# KiCad board central-control-unit.kicad_pcb (continued)
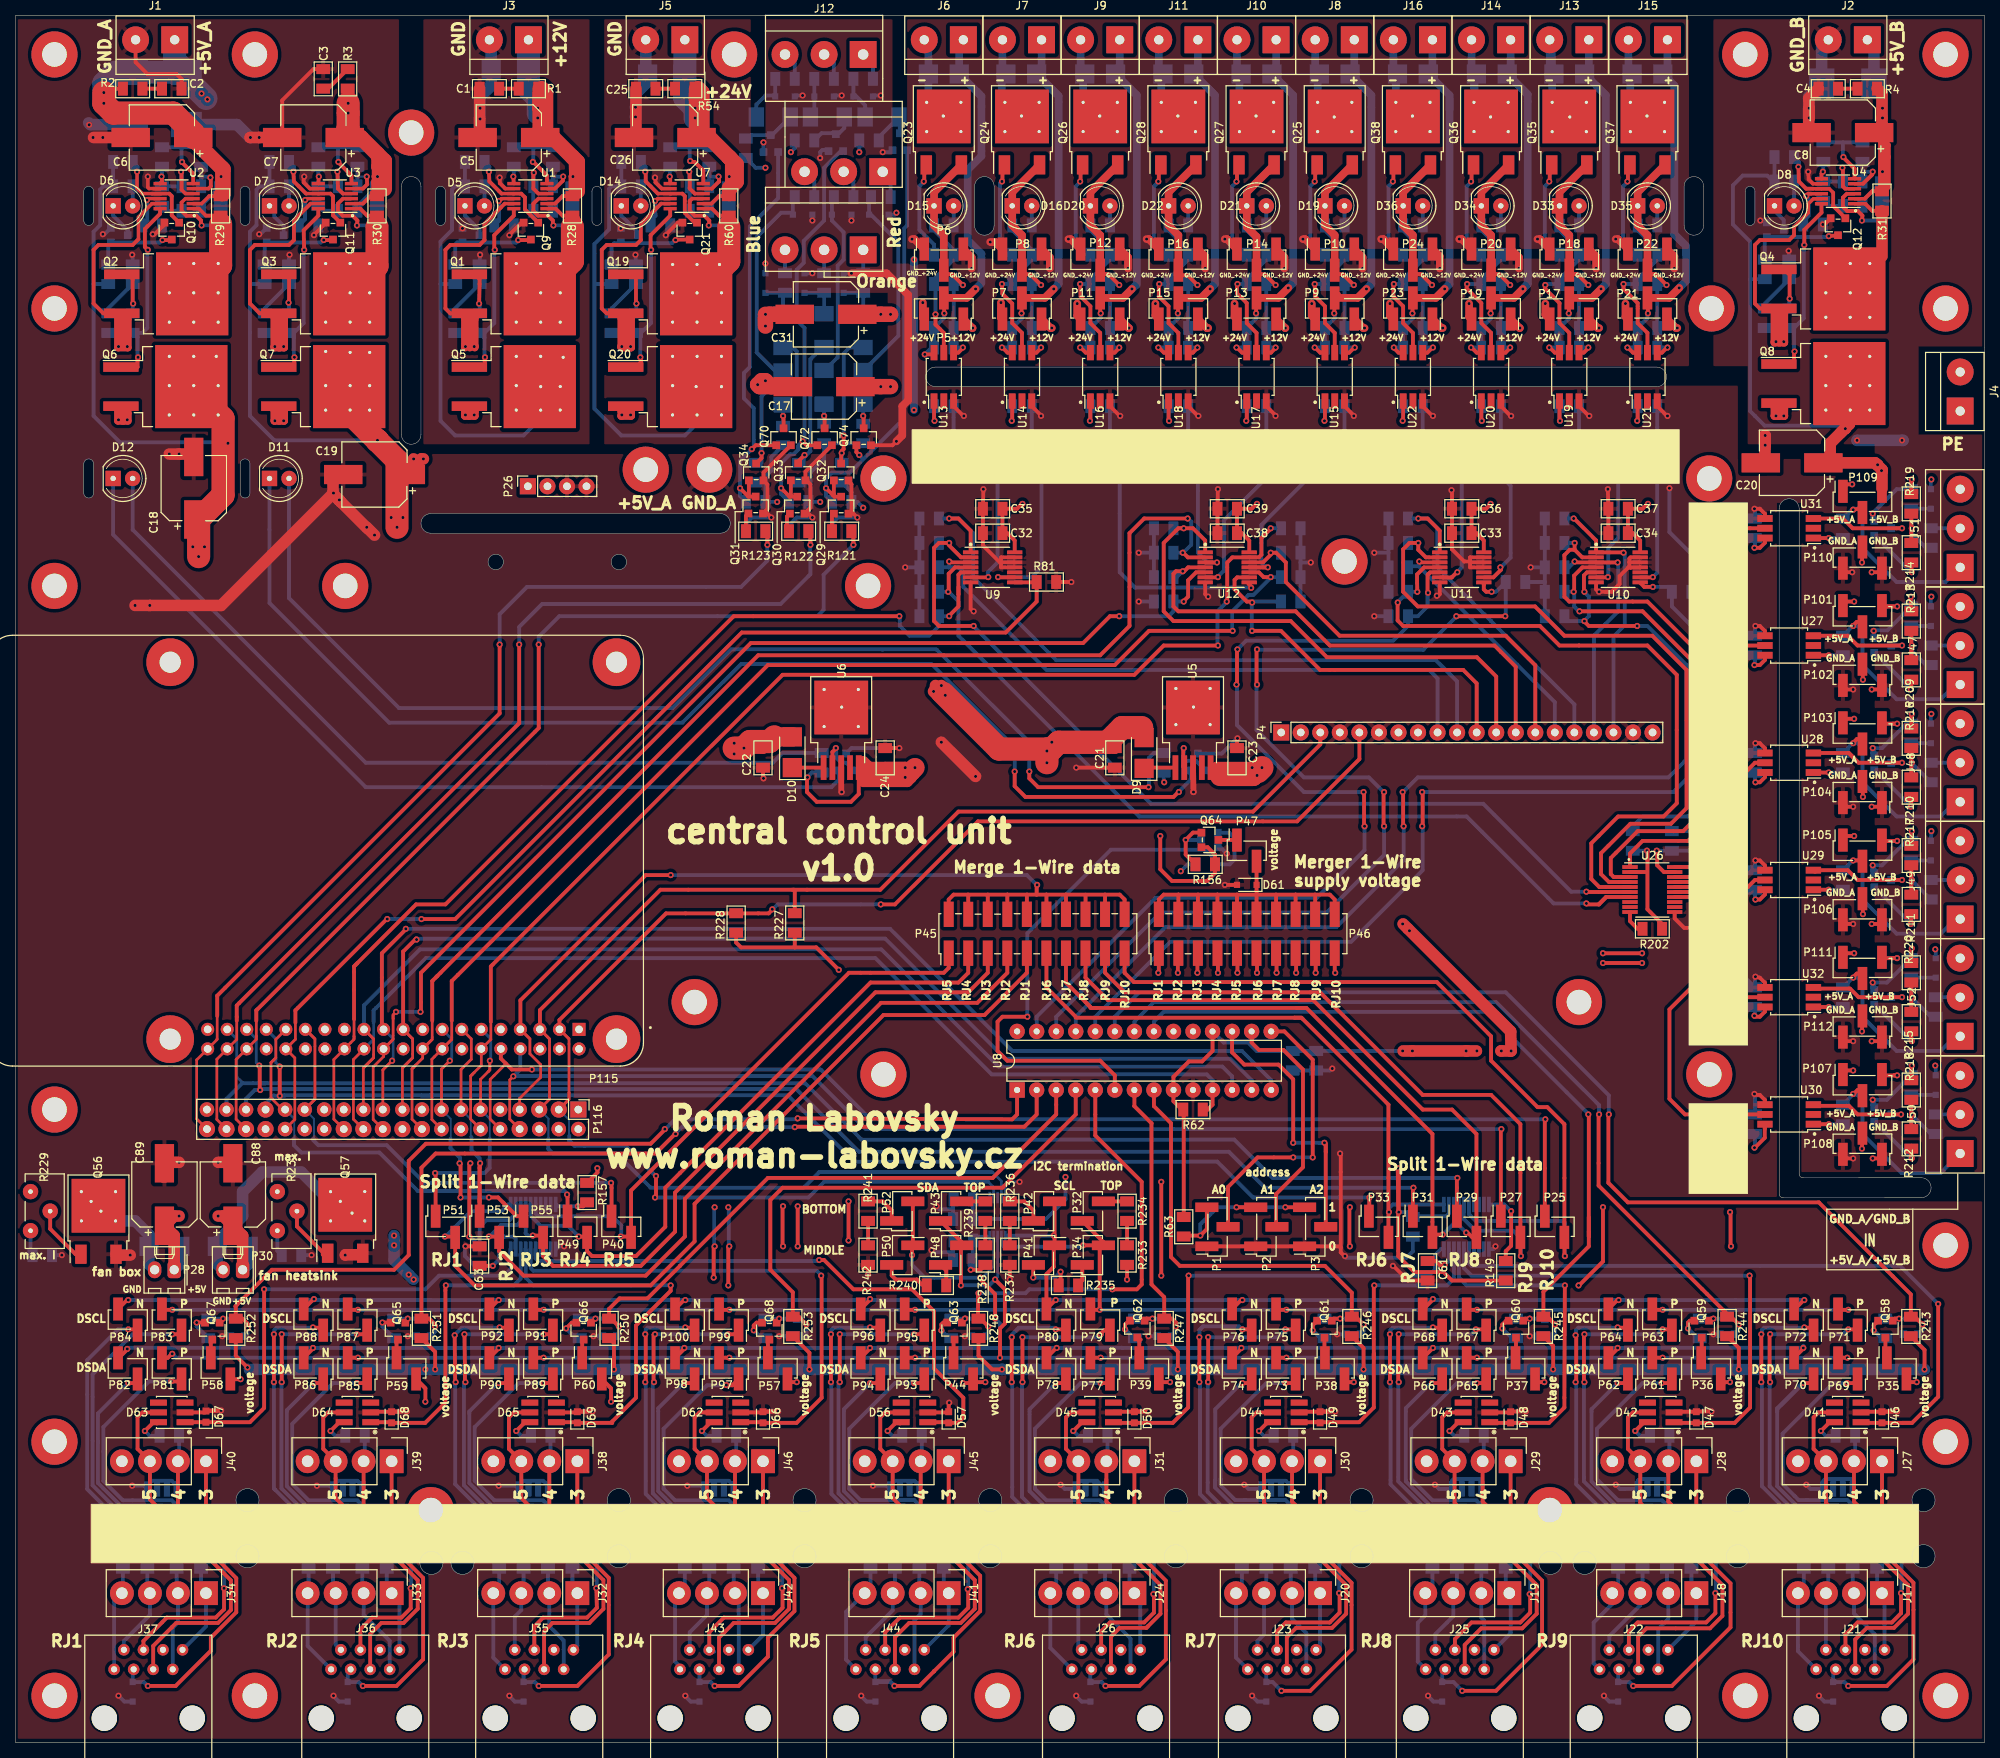
[diagram p0: board, top side]
## Nets (continued)
Net-(U4-UVL): R20.2 R21.1 U4.4
Net-(U4-~{SHDN}): R27.2 U4.3
Net-(U7-GNDSW): R58.2 U7.7
Net-(U7-OV): R57.2 R58.1 U7.6
Net-(U7-TIMER): C27.1 U7.10
Net-(U7-UVH): R56.2 R57.1 U7.5
Net-(U7-UVL): R55.2 R56.1 U7.4
Net-(U7-~{SHDN}): R59.2 U7.3
Net-(U13-A): R94.2 U13.1
Net-(U13-VO): R96.1 R98.1 R99.2 U13.5
Net-(U14-A): R95.2 U14.1
Net-(U14-VO): R97.1 R100.1 R101.2 U14.5
Net-(U15-A): R102.2 U15.1
Net-(U15-VO): R106.1 R108.1 R112.2 U15.5
Net-(U16-A): R103.2 U16.1
Net-(U16-VO): R107.1 R111.1 R114.2 U16.5
Net-(U17-A): R104.2 U17.1
Net-(U17-VO): R109.1 R113.1 R116.2 U17.5
Net-(U18-A): R105.2 U18.1
Net-(U18-VO): R110.1 R115.1 R117.2 U18.5
Net-(U19-A): R133.2 U19.1
Net-(U19-VO): R137.1 R141.1 R145.2 U19.5
Net-(U20-A): R134.2 U20.1
Net-(U20-VO): R138.1 R142.1 R146.2 U20.5
Net-(U21-A): R135.2 U21.1
Net-(U21-VO): R139.1 R143.1 R147.2 U21.5
Net-(U22-A): R136.2 U22.1
Net-(U22-VO): R140.1 R144.1 R148.2 U22.5
Net-(U23-OE): R149.2 U23.10
Net-(U24-OE): R157.2 U24.10
Net-(U26-OE): R202.2 U26.10
Net-(U27-A): R203.2 U27.1
Net-(U28-A): R204.2 U28.1
Net-(U29-A): R205.2 U29.1
Net-(U30-A): R206.2 U30.1
Net-(U31-A): R207.2 U31.1
Net-(U32-A): R208.2 U32.1

Pads without a net: D41 3 4; D42 3 4; D43 3 4; D44 3 4; D45 3 4; D56 3 4; D62 3 4; D63 3 4; D64 3 4; D65 3 4; H3 1; H4 1; H5 1; H6 1; H7 1; H8 1; H9 1; H10 1; H11 1; H12 1; H13 1; H14 1; H15 1; H16 1; H17 1; H18 1; H19 1; H20 1; H21 1; H22 1; H23 1; H24 1; H25 1; H26 1; H27 1; H28 1; H29 1; H30 1; H31 1; H32 1; J21 6; J22 6; J23 6; J25 6; J26 6; J27 4; J28 4; J29 4; J30 4; J31 4; J35 6; J36 6; J37 6; J38 4; J39 4; J40 4; J43 6; J44 6; J45 4; J46 4; P4 7; P115 1 2 4 6 9 14 17 20 25 27 28 30 34 39 S1 S2 S3 S4; P116 1 2 4 6 9 14 17 20 25 27 28 30 34 39; U5 4; U6 4; U8 19 20 28; U9 10; U10 10; U11 10; U13 2; U14 2; U15 2; U16 2; U17 2; U18 2; U19 2; U20 2; U21 2; U22 2; U23 7 8 9 12 13 14; U24 7 8 9 12 13 14; U25 3; U26 8 9 12 13; U27 2; U28 2; U29 2; U30 2; U31 2; U32 2

## Via types
v1: diameter 0.8, hole 0.4, Top to Bottom, 951 vias

## Routing (per net, layer and track width the routed paths; a pad name or vN(x,y) marks a point on that pad's centre or on a via; arc(x,y) is an arc through that point)
+5V_A: length 166.4
  Top w0.25: 46.13,201.04 46.99,201.04 ; 46.77,201.68 46.99,201.68
  Top w0.45: 44.06,200.07 45.16,200.07 ; U2.2 24.2,200.07 25.18,201.04
  Top w0.5: 25.18,201.04 26.03,201.04 ; R3.1 43.18,213.11 ; 46.99,202.95 46.99,203.58 ; 46.99,202.95 R26.1 ; 46.99,202.95 46.99,201.04 ; 45.16,200.07 46.13,201.04 ; R2.1 12.06,215.01 11.43,214.38 ; 26.67,201.04 26.67,203.58
  Top w1.5: C7.1 43.18,209.04 43.18,213.11 ; 26.75,201.12 26.75,204.77 ; 12.7,211.84 11.43,213.11 ; 46.99,206.57 46.99,204.85 47.07,204.77 47.07,203.6 v1(47.05,203.58) 47.07,203.56 47.07,202.93 46.99,202.85 46.99,201.74
  Top w2: 20.51,211.84 12.7,211.84 12.7,211.9 v1(11.49,213.11) ; J1.1 20.95,221.36 ; C7.1 44.89,208.66 47.94,205.61 47.94,201.99 ; 26.99,201.36 26.99,204.53 23.11,208.41 C6.1
  Top w3: 12.76,211.84 20.51,211.84 23.11,209.23 C6.1 ; 12.76,211.84 v1(11.49,213.11) v1(11.49,214.5) ; 12.76,211.84 12.7,211.9 ; 43.18,209.74 43.24,209.8 v1(43.24,211.84) v1(43.24,213.11)
  PWR.Cu w1.5: 43.18,211.84 43.18,213.74 42.55,214.38 41.72,214.38 ; 39.37,214.38 38.1,213.11 25.4,213.11 24.13,214.38
  PWR.Cu w3: v1(43.24,211.84) v1(43.24,213.11) 41.97,214.38 39.37,214.38 38.16,213.17 25.4,213.17 v1(24.19,214.38)
  Bottom w0.5: 44.45,199.14 44.45,199.77 R26.1 46.99,203.58 ; 24.13,199.14 24.13,199.77 R25.1 26.67,203.58
  Bottom w1.5: 11.43,213.11 11.43,215.65 12.92,217.14 D2.1
  Bottom w2: D2.1 19.18,217.14 20.7,218.66
  Bottom w3: 24.77,213.74 22.23,216.28 D3.1 ; J1.1 20.7,218.66 D3.1 ; D2.1 D3.1 ; v1(11.49,213.11) 11.49,215.71 12.92,217.14
  vias: v1(24.96,213.61) v1(26.73,203.58)
+12V: length 372.8
  Top w0.5: P23.1 184.15,183.9 185.42,183.9 ; 154.94,183.9 153.78,185.06 P15.1 153.67,184.53 ; 175.26,183.9 173.99,183.9 P9.1 ; P7.1 133.35,184.53 133.99,183.9 134.62,183.9 ; P19.1 194.31,183.9 v1(195.52,183.9) 195.58,183.9 ; 214.63,183.9 P21.1 214.63,184.53 215.27,183.9 215.9,183.9 ; 165.1,183.9 v1(165.04,183.9) 164.47,183.9 163.83,184.53 P13.1 ; P11.1 143.51,184.53 144.15,183.9 v1(144.72,183.9) 144.78,183.9 ; 205.74,183.9 204.47,183.9 P17.1 204.47,184.53 ; P5.1 123.19,184.53 123.83,183.9 v1(124.4,183.9) 124.46,183.9
  Top w1: P23.1 185.32,183.9 v1(185.48,183.9) ; v1(165.04,183.9) 165,183.9 P13.1 ; P9.1 175.16,183.9 v1(175.32,183.9) ; P7.1 134.52,183.9 v1(134.68,183.9) ; v1(215.96,183.9) 215.8,183.9 P21.1 ; v1(124.4,183.9) 124.36,183.9 P5.1 ; P11.1 144.68,183.9 v1(144.72,183.9) ; v1(195.52,183.9) 195.48,183.9 P19.1 ; P17.1 205.64,183.9 v1(205.8,183.9) ; P15.1 154.84,183.9 v1(155,183.9)
  Top w1.5: 68.2,176.22 Q5.3
  Top w2: v1(113.73,176.28) v1(112.46,176.28) C17.1
  PWR.Cu w1.5: 213.36,183.9 214.63,183.9 ; 213.36,183.9 119.38,183.9 ; 213.36,183.9 215.9,183.9 ; 68.2,176.22 70.62,176.22
  PWR.Cu w2: 68.26,176.28 70.8,176.28 ; 111.95,176.28 v1(113.73,176.28) 115.38,177.93 115.38,180.47 118.81,183.9 v1(215.96,183.9) ; 76.54,170.31 70.57,176.28
  PWR.Cu w2.5: 95.25,171.64 99.89,176.28 111.95,176.28 ; 95.25,171.64 94.04,170.43 ; 95.25,171.64 93.92,170.31 76.54,170.31 70.62,176.22 ; 68.26,176.28 70.57,176.28
  Bottom w0.5: 55.25,189.61 55.25,195.14 56.74,196.63 56.74,201.9 57.15,202.31 R48.1 R40.1 ; 55.25,189.61 R44.1 ; 55.25,189.61 55.25,171.83 57.15,169.93 66.04,169.93 68.2,172.08 68.2,176.22
+24V: length 309.6
  Top w0.5: 118.03,187.15 118.11,187.07 P5.3 ; P7.3 128.27,187.07 128.19,187.15
  Top w1: v1(168.47,187.07) 168.47,185.51 P9.3 ; v1(158.43,187.07) 158.43,185.38 158.75,185.06 ; P21.3 209.23,185.38 v1(209.23,187.07) ; v1(117.92,187.2) 117.92,185.25 P5.3 ; P19.3 188.91,185.38 v1(188.91,187.07) ; v1(178.63,187.07) 178.63,185.51 P23.3 ; P11.3 137.99,185.51 v1(137.99,187.07) ; P17.3 198.82,185.63 v1(198.82,187.07) ; 148.59,185.06 148.15,185.51 v1(148.15,187.07) ; v1(128.08,187.2) 128.08,185.25 P7.3
  Top w1.5: Q20.3 89.53,176.28 ; Q20.3 88.52,176.22 ; Q20.3 91.89,179.7
  Top w2: C31.1 v1(113.73,185.67) v1(112.46,185.67) 111.7,185.67 ; 91.38,176.28 Q20.3
  PWR.Cu w1.5: 121.2,187.15 124.38,187.15 ; 124.38,187.15 168.83,187.15 ; 124.38,187.15 118.19,187.15 ; 168.83,187.15 198.84,187.15 ; 168.83,187.15 170.1,187.15 ; Q20.3 88.9,176.28
  PWR.Cu w2: v1(112.46,185.67) 116.36,185.67 118.01,187.33 198.56,187.33 ; 199.08,187.33 209.1,187.33 ; v1(113.73,185.67) 111.7,185.67 106.36,180.34 95.44,180.34 91.38,176.28 Q20.3
  Bottom w0.5: Q20.3 88.47,171.4 87,169.93 78.74,169.93 75.25,173.42 75.25,189.74 ; 75.25,189.74 75.37,189.61 R66.1 ; 75.25,189.74 75.25,194.82 77.15,196.72 77.15,201.99 77.47,202.31 R67.1 R65.1
GND_+12V: length 317.1
  Top w0.45: U1.8 63.67,202.02
  Top w0.5: P10.3 173.99,193.42 ; P22.3 214.63,193.42 ; 143.51,193.42 P12.3 144.57,193.11 144.57,192.28 ; P16.3 153.67,193.42 ; P18.3 204.47,193.42 ; P24.3 184.15,193.42 ; 194.31,193.42 P20.3 195.37,193.11 195.37,192.28 ; 63.67,202.02 62.95,202.73 62.95,203.43 v1(62.93,203.45) 62.95,203.48 62.95,203.51 ; Q9.2 65.77,197.6 64.2,196.02 v1(64.2,195.96) 64.14,195.96 ; 164.89,192.28 164.89,193.11 ; 185.21,192.28 185.21,193.11 ; 134.41,192.28 134.41,193.11 ; 124.24,192.28 124.24,193.11 ; 175.05,192.28 175.05,193.11
  Top w1: v1(175.07,191.64) 175.07,193.08 P10.3 ; P24.3 185.1,193.21 185.1,192.28 ; v1(195.39,191.64) 195.39,193.08 P20.3 ; P16.3 154.62,193.21 v1(154.62,191.64) ; P8.3 134.43,193.08 v1(134.43,191.64) ; v1(205.42,191.64) 205.42,193.21 P18.3 ; P12.3 144.59,193.08 v1(144.59,191.64) ; v1(164.91,191.64) 164.91,193.08 P14.3 ; v1(124.27,191.64) 124.27,193.08 P6.3 ; v1(185.1,191.64) 185.1,192.18 ; P22.3 215.58,193.21 v1(215.58,191.64)
  Top w1.5: 60.33,211.2 60.33,211.14 ; 60.33,208.91 C5.2 ; 60.33,208.91 C1.2 ; 60.33,208.91 60.33,211.01
  Top w2: v1(97.47,177.04) 96.96,177.04 v1(96.46,176.53) 96.71,176.28 C17.2 98.23,176.28 v1(97.47,177.04)
  GND.Cu w1.5: 58.1,196.72 63.82,196.72 64.45,197.36 ; 65.09,197.99 64.45,197.36 ; 64.45,197.36 63.06,195.96 ; 63.06,195.96 60.33,195.96 61.79,195.96 ; 63.06,195.96 64.14,195.96 ; 93.34,169.93 95.25,171.83
  GND.Cu w2: 122.24,191.64 v1(124.27,191.64) v1(215.58,191.64) ; 122.24,191.64 120.33,191.64 ; 122.24,191.64 118.94,191.64 116.01,188.72 116.01,184.15 112.46,180.59 106.87,180.59 103.31,177.04 v1(97.47,177.04) 96.71,176.28 96.46,176.28 ; 96.46,174.5 96.46,175.01 ; 96.46,174.5 96.46,176.28 ; 96.46,174.5 96.46,173.04 ; 60.33,212.47 60.33,209.11 63.18,206.25 63.18,202.72 65.09,200.81 65.09,197.33 63.93,196.17 ; 97.22,177.29 v1(96.46,176.53) 96.46,176.28 ; 60.33,195.96 60.33,190.88 62.23,188.98 62.23,183.9 64.14,181.99 73.66,181.99 75.25,180.4 75.25,173.42 78.74,169.93 93.34,169.93 96.46,173.04 ; 96.46,173.04 95.25,171.83
  Bottom w0.5: C13.2 v1(60.39,193.42) 60.33,193.42 ; C9.2 64.77,196.6 64.14,195.96
  Bottom w1: 61.59,220.73 61.59,217.16 61.83,216.92 61.83,215.41
  Bottom w1.5: 60.33,211.2 60.33,213.9 61.83,215.41 61.83,220.49 61.59,220.73
  vias: v1(58.1,196.85) v1(60.39,212.47) v1(60.39,211.07)
GND_+24V: length 271.2
  Top w0.45: U7.8 83.99,202.02
  Top w0.5: 84.45,195.96 86.09,197.6 Q21.2 ; 83.99,202.02 83.19,202.82 83.19,203.39 v1(83.12,203.45) 83.19,203.52 83.19,203.58 ; 118.11,194.48 P6.1 ; 126.79,194.82 127.61,194.82 ; 128.27,194.48 P8.1
  Top w1: 137.77,194.82 P12.1 137.14,195.45 v1(136.84,195.45) ; P22.1 208.26,195.45 v1(207.96,195.45) ; v1(197.8,195.45) 198.1,195.45 P18.1 198.73,194.82 ; v1(187.64,195.45) 187.94,195.45 P20.1 188.57,194.82 ; v1(126.68,195.07) 127.36,195.07 P8.1 127.61,194.82 ; 147.93,194.82 148.59,194.16 147.3,195.45 v1(147,195.45) ; v1(177.48,195.45) 177.78,195.45 P24.1 178.41,194.82 ; v1(167.32,195.45) 167.62,195.45 P10.1 168.25,194.82 ; 158.09,194.82 158.75,194.16 157.46,195.45 v1(157.16,195.45) ; 117.45,194.82 P6.1 116.82,195.45 v1(116.52,195.45)
  Top w1.5: 81.47,208.66 C26.2 ; C25.2 80.64,208.91
  Top w2: v1(97.47,184.15) 97.47,185.17 97.98,185.67 C31.2 v1(97.47,185.67)
  GND.Cu w1: 115.7,194.76 115.83,194.76 v1(116.52,195.45)
  GND.Cu w1.5: 82.87,197.36 82.36,196.85 v1(78.68,196.85) ; 82.87,197.36 81.72,196.22 80.84,196.22 80.64,196.02 ; 82.87,197.36 84.77,199.26 ; 82.74,195.96 84.45,195.96 ; 82.74,195.96 81.72,195.96 ; 82.74,195.96 80.71,195.96 80.64,196.02 ; 80.64,196.02 80.64,191.52 ; 80.64,209.11 80.64,212.47 ; 93.98,182.63 84.45,182.63
  GND.Cu w2: 80.71,195.96 80.64,195.9 80.64,191.52 82.63,189.53 82.63,184.45 84.45,182.63 96.2,182.63 97.47,183.9 v1(97.47,185.67) 108.39,185.67 113.73,191.01 113.73,192.79 115.7,194.76 128.65,194.76 129.38,195.49 133.89,195.48 ; 133.89,195.48 129.38,195.48 128.71,194.82 ; 133.89,195.48 165.42,195.45 ; 164.68,195.45 207.92,195.45 ; v1(80.58,212.6) 80.64,212.53 80.64,209.11 83.38,206.37 83.38,202.82 84.77,201.43 84.77,199.26 81.72,196.22
  Bottom w0.5: 78.62,196.91 v1(78.68,196.85) ; D13.2 82.16,216.52 ; C28.2 v1(80.58,193.42) 80.64,193.42 ; C27.2 85.09,196.6 84.52,196.02 v1(84.52,195.96) 84.45,195.96
  Bottom w1.5: 81.91,220.73 81.91,217.16 D13.2 82.16,215.89 80.64,214.38 80.64,212.66 v1(80.58,212.6) 80.64,212.53 80.64,211.39 v1(80.58,211.33) 80.64,211.26 80.64,211.2
GND_A: length 3755
  Top w0.25: 37.46,203.49 37.53,203.55 v1(37.53,203.58) 37.55,203.58
  Top w0.45: U3.8 38.27,202.02 ; v1(17.21,203.58) 17.21,202.18 17.38,202.02 U2.8 17.87,202.02
  Top w0.5: C63.2 v1(58.48,64.52) 58.42,64.52 ; 182.46,60.07 C61.2 180.98,60.07 179.07,61.98 ; P1.1 P2.1 P3.1 172.09,64.52 172.24,64.37 ; U21.3 213.36,173.74 214.63,172.47 ; U19.3 203.2,173.74 204.47,172.47 ; U18.3 152.4,173.74 153.67,172.47 ; U13.3 121.92,173.74 123.19,172.47 ; U15.3 172.72,173.74 173.93,172.53 v1(173.93,172.47) 173.99,172.47 ; U16.3 142.24,173.74 143.51,172.47 ; 123.19,172.47 v1(123.25,172.47) 123.25,172.4 123.19,172.47 ; 214.63,172.47 v1(214.69,172.47) 214.69,172.4 214.63,172.47 ; 194.31,172.47 193.04,173.74 U20.3 ; 194.31,172.47 194.37,172.4 v1(194.37,172.47) 194.31,172.47 ; 153.67,172.47 153.73,172.4 v1(153.73,172.47) 153.67,172.47 ; 143.51,172.47 v1(143.57,172.47) 143.57,172.4 143.51,172.47 ; U14.3 132.08,173.74 133.29,172.53 v1(133.29,172.47) 133.35,172.47 ; U22.3 182.88,173.74 184.15,172.47 ; U17.3 162.56,173.74 163.77,172.53 v1(163.77,172.47) 163.83,172.47 ; 204.47,172.47 204.53,172.4 v1(204.53,172.47) 204.47,172.47 ; 184.15,172.47 184.21,172.4 v1(184.21,172.47) 184.15,172.47 ; Q11.2 40.32,197.55 38.8,196.02 v1(38.8,195.96) 38.73,195.96 ; 37.46,203.49 37.46,202.82 38.27,202.02 ; C3.2 38.73,217.55 34.67,213.49 34.67,210.82 ; 34.67,210.82 34.67,212.22 ; 34.67,210.82 C7.2 ; 184.79,148.97 185.1,149.28 U11.7 ; D66.2 98.52,43.02 ; D66.2 97.19,43.05 v1(99.12,43.05) ; D66.2 97.06,42.93 D62.2 ; D43.2 194.22,42.93 D48.2 194.35,43.05 v1(196.28,43.05) ; v1(109.41,159.26) 108.9,159.77 Q29.2 108.65,160.15 108.65,163.58 108.26,163.96 Q32.2 ; 238.76,75.95 v1(238.82,75.95) 238.02,75.95 P108.3 ; C34.1 C37.2 v1(206.95,162.94) 207.01,162.94 ; 172.24,64.37 172.24,63.73 172.72,63.25 ; 172.24,64.37 172.24,76.43 172.15,76.52 v1(172.15,76.58) 172.09,76.58 ; D69.2 73.06,43.05 v1(74.99,43.05) ; D69.2 72.94,42.93 D65.2 ; D69.2 74.39,43.02 ; D68.2 46.27,43.02 D64.2 ; D68.2 50.25,43.02 ; D68.2 48.93,43.05 v1(50.86,43.05) ; 226.06,145.16 v1(226.12,145.16) 226.7,145.16 227.36,144.5 227.36,143.89 ; U9.11 128.08,152.78 128.08,154.05 128.11,154.08 U9.13 ; 21.59,214.38 C2.2 21.59,216.28 20.95,216.92 17.15,216.92 15.62,218.44 J1.2 ; U32.4 227.36,98.78 226.7,99.44 v1(226.12,99.57) 226.06,99.44 ; 156.21,162.94 v1(156.27,162.94) C39.2 C38.1 ; 226.06,114.68 v1(226.12,114.68) 226.7,114.68 227.36,114.02 U29.4 ; D63.2 24.59,42.93 D67.2 ; v1(98.23,159.26) 97.71,159.78 Q31.2 97.73,160.36 97.73,163.58 Q34.2 97.22,165.1 Q70.2 ; 154.94,148.97 155,148.91 v1(155,148.97) 154.94,148.97 ; 154.94,148.97 154.62,149.29 U12.7 ; R81.2 137.16,150.88 ; U11.12 189.15,153.43 189.04,153.54 ; U31.4 227.36,159.74 226.7,160.4 v1(226,160.4) 226.06,160.4 ; v1(218.12,105.92) 216.85,105.92 215.63,107.14 215.63,107.93 ; D41.2 239.94,43.02 D46.2 ; v1(244.54,43.05) 242.61,43.05 D46.2 ; D50.2 142.79,43.02 D45.2 ; D50.2 145.45,43.05 v1(147.26,43.05) ; D50.2 146.78,43.02 ; U9.12 127.94,153.43 125.73,155.64 C32.1 C35.2 v1(125.79,162.94) 125.73,162.94 ; 189.04,153.54 189.04,154.05 189.07,154.08 U11.13 ; 189.04,153.54 188.28,153.54 186.69,155.13 C33.1 C36.2 186.69,162.73 ; 189.04,153.54 189.04,152.78 U11.11 ; 205.74,149.61 205.42,149.93 U10.7 ; 238.76,136.91 v1(238.82,136.91) 238.02,136.91 P102.3 ; C24.2 114.94,129.29 ; C22.2 97.16,125.48 ; D49.2 169.58,43.05 v1(171.51,43.05) ; D49.2 166.92,43.02 D44.2 ; D49.2 170.91,43.02 ; 238.76,152.15 v1(238.7,152.15) 238.02,152.15 P110.3 ; 110.81,62.1 v1(110.81,60.83) ; D67.2 24.84,43.18 v1(26.73,43.18) ; D67.2 26.21,43.11 ; U10.13 209.9,154.08 209.74,153.92 209.74,153.42 ; 124.46,147.07 124.52,147 v1(124.52,147.07) 124.46,147.07 ; 124.46,147.07 124.14,147.39 U9.7 ; U10.12 209.76,153.43 209.74,153.42 ; 121.29,44.2 D57.2 121.2,42.93 D56.2 ; 238.76,91.19 v1(238.82,91.19) 237.49,91.19 P112.3 ; 137.8,126.75 v1(137.86,126.75) C21.2 ; v1(114.49,169.16) 113.98,168.66 Q74.2 ; D46.2 243.93,43.02 ; 107.32,123.57 107.31,123.57 ; 153.04,123.57 153.04,123.57 ; 17.99,195.96 19.37,197.34 Q10.2 ; 206.69,149.61 207.45,149.61 208.47,150.62 208.47,151.64 209.59,152.76 209.89,152.76 ; 206.69,149.61 206.95,149.61 ; 206.69,149.61 v1(205.8,149.61) ; 129.22,62.1 v1(129.22,60.2) ; P106.3 238.02,106.43 v1(238.82,106.43) 238.76,106.43 ; 209.89,152.76 211.11,152.76 211.14,152.78 U10.11 ; 209.89,152.76 209.74,152.91 209.74,153.42 ; 158.75,130.56 C23.2 ; U28.4 227.36,129.26 226.7,129.92 v1(226.12,129.92) 226.06,129.92 ; v1(157.16,111.51) D61.2 ; v1(103.57,159.26) 103.06,159.77 Q30.2 103.31,160.53 103.31,163.58 102.79,164.1 Q33.2 102.67,165.22 Q72.2 ; D42.2 215.63,43.02 D47.2 218.48,43.05 v1(220.41,43.05) ; 238.76,121.67 v1(238.82,121.67) 238.02,121.67 P104.3 ; U30.4 227.36,83.54 226.7,84.2 226.06,84.2
  Top w0.75: U5.3 v1(153.1,123.57) 153.04,123.57 ; U6.3 107.32,123.57
  Top w1: v1(108.65,191.01) 113.22,191.01 116.01,188.21 116.01,174.5 115.25,173.74 115.25,169.93 v1(114.49,169.16)
  Top w1.5: 41.66,164.85 41.27,164.47 41.27,162.31 42.04,161.54 v1(42.1,161.54) 42.1,161.48 42.32,161.26 ; 30.48,208.66 v1(30.54,208.66) v1(31.69,208.66) C7.2 ; 42.32,161.26 41.66,161.93 ; 42.32,161.26 45.72,157.86 ; v1(42.86,63.37) 42.91,63.42 44.51,63.42 ; v1(21.27,75.44) 19.49,75.44 19.37,75.31 ; v1(41.34,162.43) 26.73,147.83 v1(17.46,147.83) v1(15.56,147.83) ; C6.2 10.16,208.66 ; 19.37,73.53 19.21,73.53 ; Q56.2 13.19,63.37 v1(14.92,63.37) ; v1(26.35,75.44) 28.13,75.44 28.26,75.31 ; v1(124.78,125.6) v1(120.33,130.05) ; 23.43,167.51 v1(21.27,167.51) v1(20,167.51) ; v1(45.66,157.99) v1(46.67,156.97)
  GND.Cu w0.5: 126.36,166.75 125.73,166.12 125.73,156.59 124.46,155.32 124.46,147.07 ; 175.9,166.75 176.53,166.12 176.53,146.43 ; 155.58,166.75 156.21,166.12 156.21,156.59 154.94,155.32 154.94,148.97 ; 170.82,87.38 171.1,87.66 ; 126.3,52.71 126.43,52.83 ; 126.43,52.83 126.36,52.77 126.36,49.28 127,48.64 127,35.94 124.46,33.4 v1(111.44,33.4) 106.68,33.4 ; 126.43,52.83 127.57,52.83 129.22,54.48 v1(129.22,60.2) 129.22,67.56 129.1,67.69 ; 126.43,52.83 v1(123.38,52.83) ; 237.41,105.71 238.12,106.43 238.76,106.43 ; 110.81,67.18 v1(110.81,60.83) 110.81,67.4 110.6,67.61 ; 200.03,59.44 200.03,57.85 201.36,56.51 201.36,52.83 ; 200.03,59.44 200.03,58.8 ; 200.03,59.44 200.03,67.06 200.58,67.61 ; 80.33,52.96 80.33,61.47 77.47,64.33 77.47,67.69 ; 80.33,52.96 80.33,43.05 ; 80.33,52.96 80.2,52.83 v1(75.12,52.83) ; 143.51,172.47 143.51,166.94 143.32,166.75 ; 214.63,169.1 214.63,168.66 ; 214.63,169.1 214.63,172.47 ; 214.63,169.1 214.63,167.39 214,166.75 212.09,166.75 214.95,163.89 v1(214.95,163.07) ; 106.68,65.79 106.68,67.5 106.57,67.61 ; 106.68,65.79 106.68,63.88 ; 106.68,65.79 106.68,59.5 ; 226.06,129.92 224.16,129.92 ; 153.48,166.75 153.67,166.94 153.67,172.47 ; v1(207.96,33.53) 207.71,33.27 207.71,24.89 ; 64.14,6.1 58.42,11.81 58.42,19.88 62.8,24.26 v1(62.8,33.4) ; 31.43,52.83 31.43,55.12 ; 31.43,52.83 v1(26.86,52.83) ; 31.43,52.83 31.43,43.18 ; 146.05,148.34 v1(145.99,148.34) v1(145.99,154.69) 146.05,166.75 ; 224.16,118.3 223.84,117.98 v1(220.03,117.98) ; 146.05,97.54 146.69,98.17 146.69,109.92 148.27,111.51 v1(157.16,111.51) 157.42,111.76 157.42,112.78 ; 207.65,33.4 221.62,33.4 225.49,37.27 225.49,43.43 ; v1(196.28,43.05) 201.1,43.05 ; 207.71,24.89 207.71,23.75 203.84,19.88 203.84,8.64 206.38,6.1 ; 207.71,24.89 207.71,24.38 ; 102.46,35.53 102.87,35.94 ; 102.46,35.53 104.46,37.53 104.46,43.05 ; 102.46,35.53 100.33,33.4 87,33.4 82.55,28.96 82.55,10.54 87,6.1 ; 204.66,166.75 204.47,166.94 204.47,172.47 ; 178.99,67.61 178.67,67.29 178.67,62.38 179.01,62.04 v1(179.01,61.98) 179.07,61.98 ; 183.52,6.1 179.71,9.91 179.71,28.96 184.15,33.4 197.49,33.4 200.03,35.94 200.03,36 201.36,37.34 201.36,52.83 ; 225.49,43.43 225.11,43.05 v1(220.41,43.05) ; 225.49,43.43 225.49,53.09 ; 226.06,114.68 224.79,114.68 224.16,115.32 ; 108.39,47.24 108.39,47.62 ; 108.39,47.62 108.39,57.78 106.68,59.5 ; 108.39,47.62 108.39,42.54 106.68,40.83 106.68,33.4 ; 176.72,53.09 v1(171.77,53.09) 174.43,53.09 ; 176.72,53.09 176.72,42.93 ; 176.72,53.09 176.72,56.51 175.26,57.98 175.26,67.53 175.34,67.61 ; 176.72,53.09 174.43,53.09 ; 104.46,52.96 104.46,58.29 102.87,59.88 102.87,66.87 ; 104.46,52.96 104.46,43.05 ; 104.46,52.96 104.33,52.83 v1(99.25,52.83) ; 238.76,136.91 237.49,136.91 237.41,136.83 ; 151.21,67.61 151.13,67.53 151.13,61.34 ; 55.56,43.05 55.56,36.83 54.32,35.59 54.26,35.59 ; 55.56,43.05 v1(50.86,43.05) ; 55.56,43.05 55.56,52.83 ; 106.68,59.44 106.68,59.5 ; 160.66,6.1 154.94,11.81 154.94,28.77 v1(159.7,33.53) 172.85,33.53 175.26,35.94 175.32,35.94 176.72,37.34 176.72,42.93 ; 224.16,59.44 224.16,57.72 225.49,56.39 225.49,53.09 ; 224.16,59.44 224.16,58.8 ; 224.16,59.44 224.16,67.06 223.6,67.61 ; 152.4,121.67 153.04,122.3 153.04,123.57 ; 172.09,76.58 172.09,82.3 171.45,82.93 171.26,82.93 ; 249.87,46.86 246.06,43.05 ; 249.87,46.86 248.03,45.02 ; 249.87,46.86 249.87,54.86 248.28,56.45 248.28,58.61 243.95,62.95 243.95,68.12 ; 246.06,43.05 246.19,42.93 246.19,34.93 ; 246.06,43.05 v1(244.54,43.05) ; 152.34,52.83 152.34,58.17 151.13,59.37 151.13,61.34 ; 152.34,52.83 150.56,52.83 ; 152.34,52.83 152.34,43.69 ; 207.01,166.75 207.01,156.59 205.74,155.32 205.74,149.61 ; 54.61,35.94 54.26,35.59 ; 54.26,35.59 52.07,33.4 v1(39.18,33.4) 38.73,33.4 34.29,28.96 34.29,16.26 ; 133.35,172.47 133.35,167.39 133.99,166.75 ; 237.41,91.9 238.12,91.19 238.76,91.19 ; 137.8,126.75 137.8,122.3 138.43,121.67 ; 238.76,121.67 237.49,121.67 237.41,121.75 ; 106.68,11.18 106.68,9.27 109.92,6.03 v1(109.92,6.1) 109.86,6.1 ; 106.68,11.18 106.68,9.91 ; 106.68,11.18 106.68,33.4 ; 150.91,35.72 152.34,37.15 152.34,43.31 ; 150.91,35.72 148.72,33.53 v1(135.83,33.53) ; 150.91,35.72 151.13,35.94 ; 80.33,43.05 80.33,37.53 78.33,35.53 ; 80.33,43.05 v1(74.99,43.05) ; 78.33,35.53 78.74,35.94 ; 78.33,35.53 76.2,33.4 62.86,33.4 ; 224.16,106.24 223.84,105.92 v1(218.12,105.92) ; 168.28,166.75 168.34,166.69 v1(168.34,153.42) 168.28,153.42 ; 225.49,53.09 v1(220.66,53.09) ; 152.34,43.31 152.34,43.69 ; 152.34,43.31 152.08,43.05 v1(147.26,43.05) ; 246.57,43.56 248.03,45.02 ; 248.03,45.02 248.28,45.28 ; 186.69,166.75 186.69,162.88 v1(186.63,162.81) 186.69,162.75 186.69,156.59 184.79,154.69 184.79,149.16 v1(184.72,149.1) 184.79,149.03 184.79,148.97 ; 71.56,67.06 71.66,67.15 ; 71.66,67.15 71.12,67.69 ; 71.66,67.15 71.75,67.06 ; v1(119.06,64.01) 119.06,67.18 119.49,67.61 ; 223.71,107.7 224.16,108.14 ; v1(50.99,52.83) 55.56,52.83 ; 55.56,52.83 55.56,57.02 54.61,57.98 54.61,58.8 ; 176.72,42.93 176.59,43.05 v1(171.51,43.05) ; 121.29,44.2 v1(121.35,44.2) 127,44.2 ; 34.29,16.26 34.29,13.08 41.27,6.1 ; 34.29,16.26 34.29,15.62 ; 224.16,98.81 224.79,99.44 226.06,99.44 ; 183.96,166.75 184.15,166.94 184.15,172.47 ; 102.87,66.87 102.87,60.71 ; 102.87,66.87 102.87,67.69 ; 54.61,58.8 54.61,59.44 ; 54.61,58.8 54.61,67.5 ; 245.3,34.04 246.19,34.93 ; 246.19,34.93 244.79,33.53 v1(232.73,33.53) ; 135.89,33.4 130.81,28.32 130.81,13.08 137.8,6.1 ; 232.41,33.4 227.97,28.96 227.97,12.45 234.19,6.22 234.38,6.22 234.38,6.03 234.32,6.1 ; 115.57,152.78 115.57,160.85 121.29,166.56 121.29,166.75 ; 58.42,64.52 57.7,65.23 57.7,68.41 ; v1(71.31,64.52) 71.31,67.06 ; 123,166.75 123.19,166.94 123.19,172.47 ; 171.26,82.93 171.13,83.06 v1(171.13,87.63) ; 171.26,82.93 153.67,82.93 153.04,83.57 U8.10 ; 122.55,97.54 121.92,96.9 121.92,77.22 ; v1(26.73,43.18) 31.43,43.18 ; 31.43,43.18 31.43,36.89 27.94,33.4 v1(15.18,33.4) 15.18,33.34 10.79,28.96 10.79,10.54 ; 163.64,166.75 163.83,166.94 163.83,172.47 ; v1(130.49,72.9) 130.49,73.53 126.81,77.22 121.92,77.22 ; 174.43,53.09 175.26,53.09 ; 13.33,6.1 10.79,8.64 10.79,16.89 ; 152.34,43.69 152.21,43.56 ; 114.94,129.29 113.66,129.29 113.03,128.65 113.03,123.57 ; 181.61,67.69 181.69,67.61 ; 174.18,166.75 173.99,166.94 173.99,172.47 ; v1(147.26,52.83) 150.56,52.83 ; 150.56,52.83 150.94,52.83 ; 109.92,168.91 114.24,168.91 ; v1(6.03,63.37) v1(14.92,63.37) ; 151.13,61.34 151.13,60.07 ; 238.76,152.15 237.49,152.15 237.41,152.07 ; 158.75,130.56 158.75,121.67 ; 226.06,160.4 224.79,160.4 224.16,159.77 ; 104.46,43.05 v1(99.12,43.05) ; 97.79,123.57 97.16,124.21 97.16,125.29 v1(97.22,125.35) 97.16,125.41 97.16,125.48 ; 192.96,67.61 192.41,67.06 192.41,64.52 ; 192.96,67.61 193.04,67.53 ; 192.96,67.61 193.04,67.69 ; 196.85,152.78 196.85,166.75 ; 201.36,52.83 v1(196.79,52.83) ; 237.41,75.39 237.96,75.95 238.76,75.95 ; 121.92,77.22 119.7,74.99 v1(119.7,69.72) ; 194.12,166.75 194.31,166.94 194.31,172.47 ; 157.42,112.78 157.42,112.52 ; 157.42,112.78 v1(157.42,115.57) ; 226.06,145.16 224.16,145.16 ; 139.7,150.88 v1(137.22,150.88) 137.16,150.88
  GND.Cu w1: v1(102.3,214.12) v1(112.46,214.12) ; 109.92,168.91 114.24,168.91 v1(114.49,169.16) ; 102.81,159.26 102.81,165.1 106.61,168.9 110.67,168.9 110.68,168.91 ; 102.81,159.26 100.01,159.26 ; 102.81,159.26 v1(109.41,159.26) ; v1(107.38,214.12) 107.38,208.28 107.63,208.03 ; v1(104.58,205.99) 104.58,207.77 104.33,208.03 ; 99,208.03 99,205.99 ; 99,208.03 v1(97.22,208.03) 98.23,208.03 ; 99,208.03 104.33,208.03 ; 100.01,159.26 100.02,159.25 100.02,147.84 99.16,146.97 99.06,147.07 ; 100.01,159.26 v1(98.23,159.26) ; v1(114.49,198.88) 113.47,197.87 v1(108.65,197.87) v1(103.57,197.87) 99,197.87 98.36,198.5 ; 98.36,198.5 99,199.14 99,205.99 ; 98.36,198.5 96.71,196.85 96.71,193.04 v1(97.47,192.28) 98.74,191.01 v1(108.65,191.01) ; 99,205.99 99,207.26 ; 107.63,208.03 111.44,208.03 v1(112.71,206.76) ; 107.63,208.03 104.33,208.03
  GND.Cu w1.5: 139.7,166.75 121.29,166.75 ; 139.7,166.75 212.09,166.75 ; 139.7,166.75 139.7,145.16 118.11,123.57 108.58,123.57 ; 38.1,186.44 38.1,188.34 35.56,190.88 35.56,195.77 35.24,196.09 ; 38.1,186.44 38.1,169.29 41.27,166.12 41.27,162.31 41.34,162.31 v1(42.1,161.54) ; 38.1,186.44 38.1,187.71 ; 30.48,208.66 34.92,208.66 37.55,206.03 37.55,203.3 39.07,201.79 39.07,198.64 36.39,195.96 ; 224.16,121.67 224.16,99.89 ; 224.16,121.67 224.16,127.19 ; 224.16,121.67 197.04,121.67 ; 108.58,123.57 108.58,107.06 118.11,97.54 169.55,97.54 171.1,95.98 171.1,87.66 ; 108.58,123.57 v1(107.38,123.57) 50.8,123.57 29.31,145.07 ; 202.04,67.61 153.78,67.61 ; 202.04,67.61 240.75,67.61 ; 202.04,67.61 202.04,85.81 196.53,91.31 196.53,121.16 197.04,121.67 ; 62.78,68.41 63.58,67.61 138.54,67.61 ; 62.78,68.41 55.52,68.41 48.58,61.47 39.05,61.47 35.56,57.98 34.29,57.98 31.43,55.12 ; 62.78,68.41 63.5,67.69 ; 138.54,67.61 135.37,67.61 ; 138.54,67.61 153.78,67.61 ; 13.97,206.12 16.51,206.12 17.23,205.41 17.23,203.66 17.15,203.58 17.15,203.02 18.73,201.43 18.73,199.26 16.83,197.36 ; 13.97,206.12 12.7,206.12 ; 13.97,206.12 15.24,206.12 ; 13.97,206.12 11.43,206.12 9.53,208.03 ; 237.41,79.68 237.41,75.39 ; 237.41,79.68 237.41,78.57 ; 237.41,79.68 237.41,161.59 234.79,164.21 226.7,164.21 224.16,161.67 224.16,127.19 ; 77.47,161.04 74.93,161.04 ; 77.47,161.04 73.02,161.04 ; 77.47,161.04 85.72,161.04 H2.1 ; 224.16,99.89 224.16,92.27 226.06,90.36 226.06,84.39 v1(226,84.33) 226.06,84.26 226.06,84.2 ; 224.16,99.89 224.16,98.81 ; 224.16,127.19 223.84,127.51 212.54,127.51 210.22,129.83 P4.19 ; 133.54,121.67 130.81,121.67 ; 133.54,121.67 172.53,121.67 ; 133.54,121.67 128.71,121.67 v1(124.78,125.6) ; v1(120.33,130.05) 117.48,132.91 117.48,135.45 105.95,146.97 56.61,146.97 45.66,157.92 v1(45.66,157.99) ; v1(26.35,75.44) v1(21.27,75.44) 14.29,75.44 13.02,76.71 13.02,145.29 v1(15.56,147.83) v1(17.46,147.83) ; 72.77,163.32 72.77,161.29 73.02,161.04 ; 72.77,163.32 71.63,163.32 ; 72.77,163.32 74.17,163.32 ; v1(31.69,208.66) 30.92,208.66 ; 9.53,208.03 9.53,215.65 15.24,221.36 J1.2 15.62,218.88 24.19,210.31 28.89,210.31 v1(30.54,208.66) ; 9.53,208.03 10.16,208.66 11.43,208.66 ; 38.73,195.96 36.39,195.96 ; 36.39,195.96 35.37,195.96 35.24,196.09 ; 15.24,195.77 16.83,197.36 ; 15.24,195.77 15.24,190.88 17.78,188.34 17.78,169.74 v1(20,167.51) 20,154.37 29.31,145.07 ; 15.24,195.77 16.19,196.72 ; 16.83,197.36 16.83,197.13 17.84,196.12 ; 172.53,121.67 172.12,122.08 P4.4 ; 172.53,121.67 186.69,121.67 ; 35.24,196.09 31.75,196.09 ; 243.95,68.12 240.75,68.12 241.85,68.12 ; 186.69,121.67 186.69,124.21 184.88,126.02 181.01,126.02 177.2,129.83 P4.6 ; 186.69,121.67 197.04,121.67 ; v1(42.86,63.37) R232.1 35.88,64.64 16.19,64.64 v1(14.92,63.37) ; 73.02,161.04 45.28,161.04 29.31,145.07 ; 23.81,64.64 23.81,75.44 ; 153.78,67.61 151.21,67.61 ; 11.43,196.09 14.73,196.09
  Bottom w0.25: U25.5 128.64,71.04
  Bottom w0.35: v1(130.49,72.9) 129.22,72.9 128.64,72.31 U25.5
  Bottom w0.5: C60.1 181.61,63.88 180.76,63.03 178.02,63.03 ; 58.42,64.52 58.42,63.25 59.69,61.98 C62.1 ; 39.37,197.23 39.37,196.6 38.73,195.96 ; C15.2 35.56,193.42 ; 236.44,34.26 235.17,34.26 234.95,34.04 D76.5 234.09,32.99 ; 236.44,34.26 236.22,34.04 D76.6 ; 236.44,34.26 237.27,34.26 ; 187.74,34.26 186.91,34.26 186.69,34.04 D75.5 185.83,32.99 ; 187.74,34.26 187.96,34.04 D75.6 ; 187.74,34.26 189.01,34.26 ; 66.67,34.04 67.94,34.04 ; 66.67,34.04 D81.6 ; 66.67,34.04 66.04,34.04 65.41,33.4 D81.5 64.99,33.4 62.86,33.4 ; 67.94,34.04 D81.7 ; 67.94,34.04 68.58,34.04 69.22,33.4 D81.8 ; D74.7 213.36,34.04 213.14,34.26 ; v1(112.46,214.12) 111.44,214.12 ; 189.01,34.26 190.28,34.26 190.5,34.04 D75.8 ; 189.01,34.26 189.23,34.04 D75.7 ; 209.14,32.99 208.5,32.99 v1(207.96,33.53) ; 209.14,32.99 208.7,32.99 ; 209.14,32.99 D74.5 210.82,34.04 211.04,34.26 212.31,34.26 ; 41.27,6.1 v1(41.34,6.1) 41.34,6.03 42.04,5.33 D72.2 ; 171.1,87.66 170.82,87.38 C30.2 ; 13.4,6.03 v1(13.4,6.1) ; v1(13.4,6.1) 14.16,5.33 D71.2 ; v1(13.4,6.1) 13.33,6.1 ; C10.2 19.05,197.02 17.99,195.96 ; 140.34,34.04 140.56,34.04 D78.8 ; 140.34,34.04 D78.7 ; 140.34,34.04 139.07,34.04 ; 116.2,34.04 114.94,34.04 ; 116.2,34.04 D82.7 ; 116.2,34.04 116.84,34.04 117.48,33.4 D82.8 ; 114.94,34.04 D82.6 ; 114.94,34.04 114.3,34.04 113.66,33.4 D82.5 113.25,33.4 v1(111.44,33.4) ; R119.2 100.52,158.24 101.54,159.26 v1(103.57,159.26) ; 212.31,34.26 212.09,34.04 212.09,32.99 ; 212.31,34.26 213.14,34.26 ; C71.2 C77.2 226.06,129.92 ; 87,6.1 v1(87.06,6.1) 87.06,6.03 87.76,5.33 D70.2 ; 121.86,69.34 121.86,70.55 C64.2 ; 121.86,69.34 C65.2 121.92,68.01 ; 121.86,69.34 120.08,69.34 v1(119.7,69.72) ; D77.5 160.24,32.99 v1(159.7,33.53) ; D77.5 161.07,32.99 ; D77.5 161.93,33.4 162.56,34.04 163.2,34.04 ; R69.2 R80.2 ; 185.83,32.99 185.01,32.99 v1(184.47,33.53) ; 185.83,32.99 185.2,32.99 ; C75.2 224.16,100.08 C81.2 226.06,99.44 ; 22.86,210.98 D3.2 ; D77.7 164.47,34.04 ; 164.47,34.04 165.1,34.04 165.74,33.4 D77.8 ; 164.47,34.04 163.2,34.04 ; 105.67,207.03 104.85,207.03 104.58,206.76 v1(104.58,205.99) ; v1(108.65,191.01) D30.2 ; D101.2 114.24,198.63 v1(114.49,198.88) ; 226.06,84.01 226.06,84.2 ; 226.06,84.01 226.06,82.93 ; 226.06,84.01 C79.2 C73.2 ; v1(135.83,33.53) 136.37,32.99 D78.5 137.8,33.4 138.43,34.04 139.07,34.04 ; U23.11 192.04,64.15 192.34,64.45 v1(192.34,64.52) 192.41,64.52 ; v1(214.95,163.07) 214.95,157.35 217.81,154.5 R83.2 218.88,149.61 220.98,147.51 220.98,131.64 ; D76.7 237.49,34.04 237.27,34.26 ; v1(39.18,33.4) 40.86,33.4 D80.5 41.27,33.4 41.91,34.04 42.55,34.04 ; R93.2 167.01,153.42 ; 167.01,153.42 168.28,153.42 ; 167.01,153.42 R88.2 ; R118.2 106.11,158.5 106.87,159.26 v1(109.41,159.26) ; Q17.3 156.78,128.58 158.75,130.56 ; 206.38,6.1 v1(206.44,6.1) 206.44,6.03 207.14,5.33 D52.2 ; v1(50.99,52.83) 52.06,52.83 Q48.2 ; 42.55,34.04 43.81,34.04 ; 42.55,34.04 D80.6 ; 176.53,146.43 v1(176.59,146.43) R85.2 ; v1(220.66,53.09) 221.47,53.09 Q40.2 ; v1(107.38,214.12) 106.36,214.12 ; R70.2 v1(196.91,152.78) 196.85,152.78 ; v1(232.73,33.53) 233.27,32.99 234.09,32.99 ; 92.08,34.04 92.71,34.04 93.34,33.4 D83.8 ; 92.08,34.04 D83.7 ; 92.08,34.04 90.8,34.04 ; v1(196.79,52.83) Q41.2 ; 213.14,34.26 214.41,34.26 214.63,34.04 D74.8 ; v1(123.38,52.83) Q44.2 ; Q47.2 26.88,52.85 v1(26.86,52.83) ; 70.25,64.15 70.62,64.52 v1(71.31,64.52) ; 109.86,6.1 110.62,5.33 D60.2 ; v1(171.77,53.09) Q42.2 ; 38.42,63.37 R232.1 ; v1(220.03,117.98) 219.52,118.49 C69.2 ; v1(103.57,197.87) D97.2 ; 220.98,131.64 220.98,131.19 ; 220.98,131.64 220.98,124.02 217.36,120.4 211.46,120.4 210.19,119.13 C68.1 ; 18.41,34.04 19.69,34.04 ; 18.41,34.04 17.78,34.04 17.15,33.4 D79.5 16.73,33.4 15.24,33.4 ; 18.41,34.04 D79.6 18.41,33.4 ; 19.69,34.04 D79.7 19.69,32.77 ; 19.69,34.04 20.32,34.04 20.95,33.4 D79.8 ; 90.8,34.04 90.17,34.04 89.53,33.4 D83.5 89.12,33.4 v1(87.31,33.4) ; 90.8,34.04 D83.6 ; 237.27,34.26 238.54,34.26 238.76,34.04 D76.8 ; R91.2 146.05,148.34 ; 11.43,196.09 11.58,196.09 Q14.2 ; D73.2 64.9,5.33 64.2,6.03 v1(64.2,6.1) 64.14,6.1 ; 198.76,150.88 R82.2 ; 198.76,150.88 R84.2 ; 198.76,150.88 R71.2 ; v1(147.26,52.83) 148.32,52.83 Q43.2 ; 226.06,114.68 C78.2 C72.2 ; 178.44,154.69 R79.2 ; 178.44,154.69 v1(176.59,154.69) 176.53,154.69 ; 178.44,154.69 R72.2 ; v1(6.03,63.37) R230.1 ; Q71.2 113.73,206.76 v1(112.71,206.76) ; 31.75,196.09 31.83,196.09 Q15.2 ; 234.32,6.1 235.08,5.33 D51.2 ; 43.81,34.04 D80.7 ; 43.81,34.04 44.45,34.04 45.09,33.4 D80.8 ; Q46.2 100.57,52.83 v1(99.25,52.83) ; 234.09,32.99 233.46,32.99 ; v1(98.23,159.26) 95.69,159.26 94.93,158.5 R120.2 ; 226.06,160.4 C80.2 C74.2 ; 139.07,34.04 D78.6 ; 172.72,63.25 v1(172.78,63.25) 172.78,63.18 172.94,63.03 178.02,63.03 ; D54.2 161.42,5.33 160.72,6.03 v1(160.72,6.1) 160.66,6.1 ; 183.52,6.1 v1(183.58,6.1) 183.58,6.03 184.28,5.33 D53.2 ; R68.2 v1(115.63,152.78) 115.57,152.78 ; 163.2,34.04 D77.6 ; R86.2 R87.2 ; Q18.3 108.66,129.29 v1(114.87,129.29) 114.94,129.29 ; v1(75.12,52.83) Q49.2 ; C14.2 15.24,193.42 ; 178.02,63.03 176.75,63.03 ; Q45.2 156.59,116.4 v1(157.42,115.57) ; C66.2 121.86,65.21 121.86,63.75 ; 222.89,143.89 226.06,143.89 226.06,145.16 ; Q69.2 v1(97.22,208.03) ; 121.86,63.75 119.32,63.75 ; 121.86,63.75 C67.2 ; 158.75,130.56 v1(158.81,130.56) 158.81,130.62 158.75,130.56 ; 137.8,6.1 v1(137.86,6.1) 137.86,6.03 138.56,5.33 D55.2 ; v1(103.57,191.01) D31.2 ; R90.2 146.05,154.69 ; v1(102.3,214.12) 101.28,214.12 ; D32.2 v1(97.47,192.28) ; v1(108.65,197.87) D98.2
  Bottom w1.5: 31.75,208.66 30.48,208.66 28.8,210.34 D3.2 ; D2.2 9.75,210.34 9.53,210.57
  vias: v1(9.59,210.31) v1(10.1,208.66) v1(11.37,208.66) v1(11.37,196.09) v1(15.18,193.42) v1(17.84,196.09) v1(31.69,196.09) v1(35.62,193.42) v1(38.48,63.37) v1(234.38,6.1)
